# Altium PCB PCB5.PcbDoc (part 4 of 16)
Units mil, origin at the board's own origin, x right, y up, seen from the top; angles counter-clockwise.
Board outline 9210.27 x 4350.4 mil, 4 copper layers (Top Layer, Layer 1, Layer 2, Bottom Layer), stack 23.756 mil thick; 1550 components, 1731 nets, 5196 pads, 1890 vias.
Unrouted connection lines stored in the file: 2462.
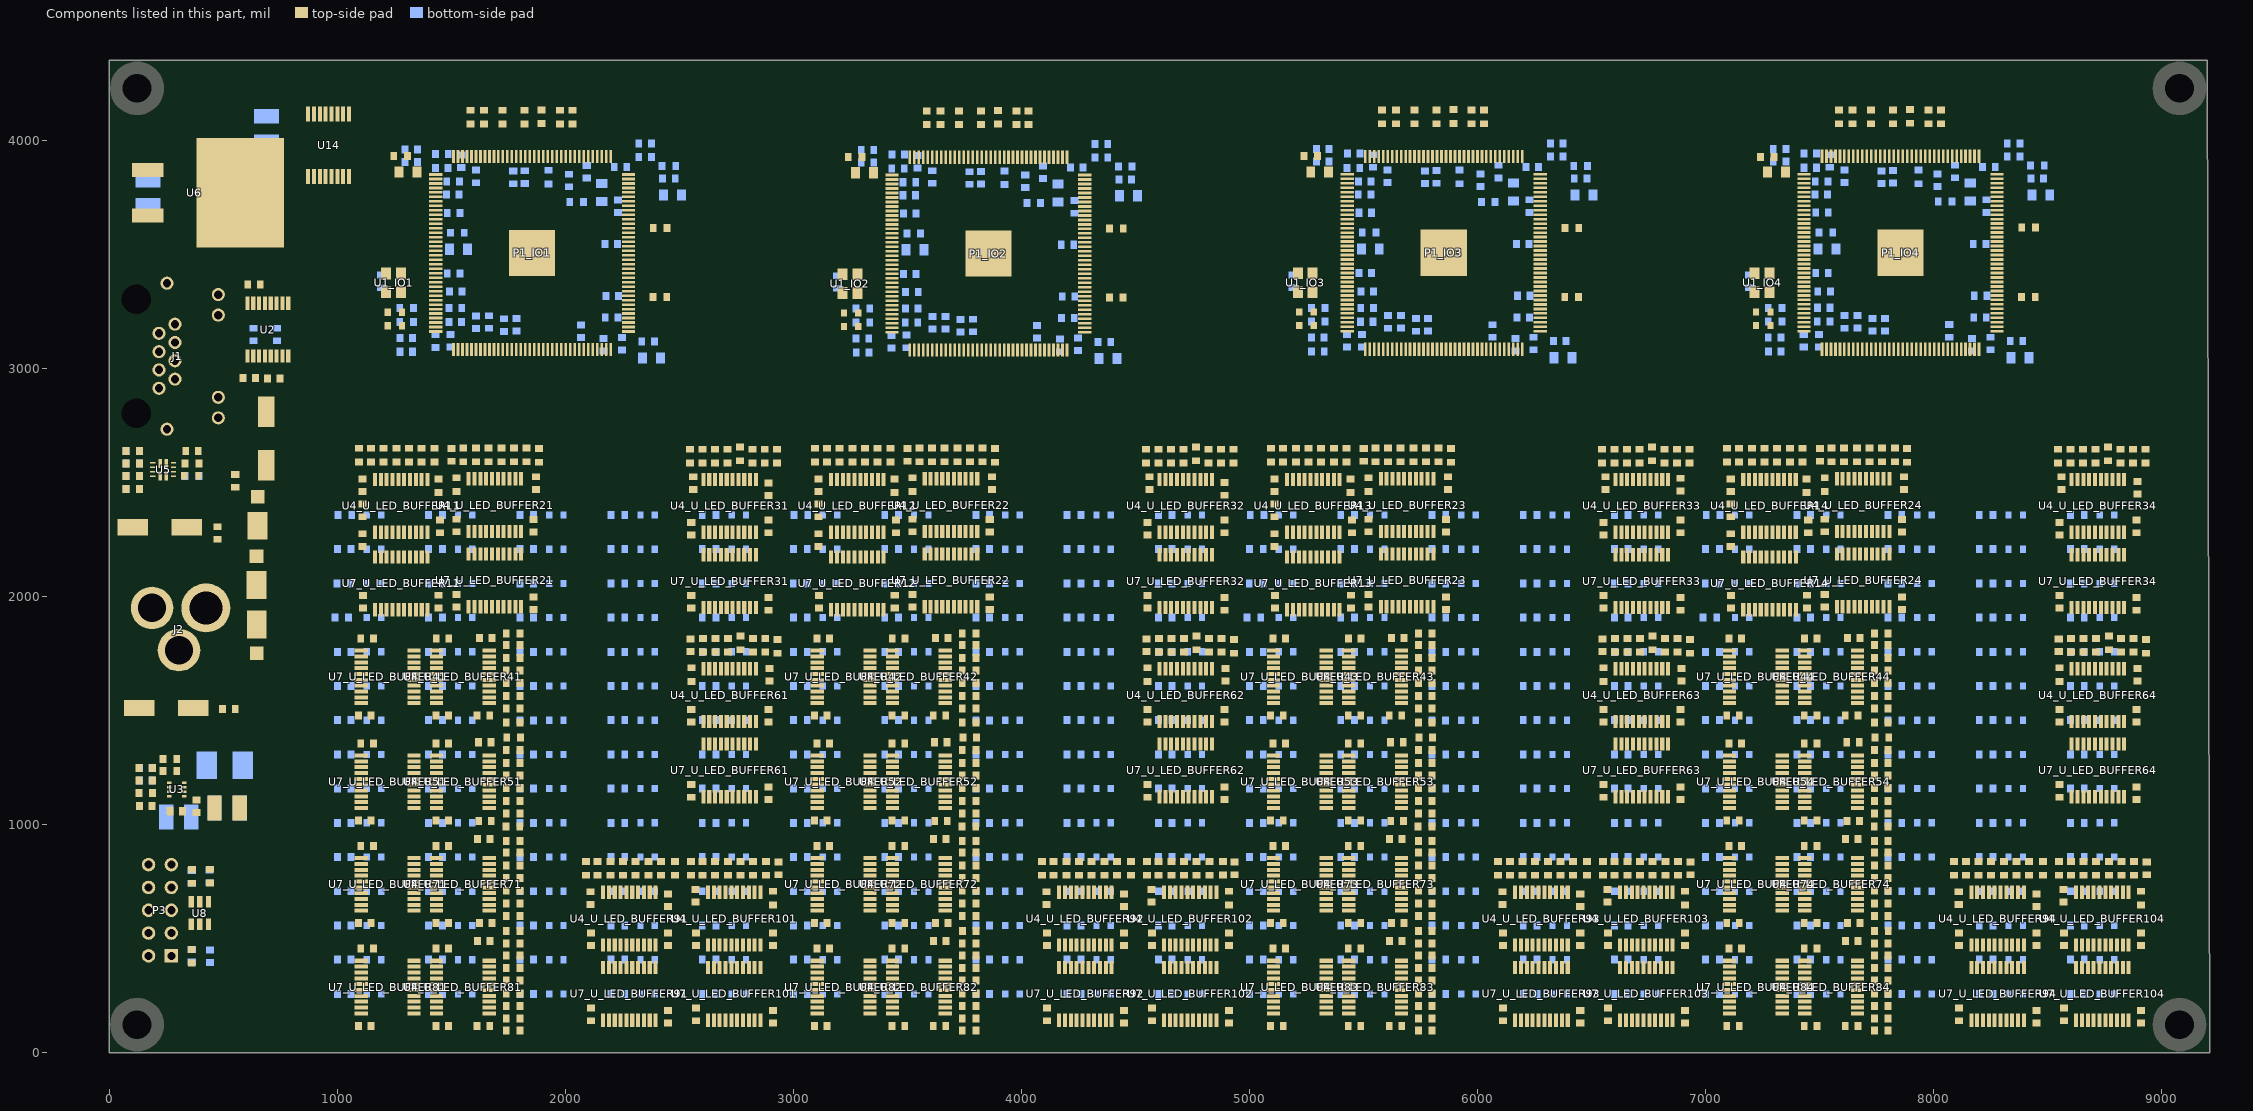
[diagram p6: the components of this part, seen from the top]

## Components (designator, comment, footprint, x,y, rotation, side; value= is the part's Value field where it differs from the comment) (continued)
R49_U_LED_BUFFER61 "33R" 0603R 2822.05,1786.05 r270 top (schematic designator R49)
R49_U_LED_BUFFER62 "33R" 0603R 4822.05,1786.05 r270 top (schematic designator R49)
R49_U_LED_BUFFER63 "33R" 0603R 6822.05,1786.05 r270 top (schematic designator R49)
R49_U_LED_BUFFER64 "33R" 0603R 8822.05,1786.05 r270 top (schematic designator R49)
R49_U_LED_BUFFER71 "33R" 0603R 1770.63,653.83 r180 top (schematic designator R49)
R49_U_LED_BUFFER72 "33R" 0603R 3770.63,653.83 r180 top (schematic designator R49)
R49_U_LED_BUFFER73 "33R" 0603R 5770.63,653.83 r180 top (schematic designator R49)
R49_U_LED_BUFFER74 "33R" 0603R 7770.63,653.83 r180 top (schematic designator R49)
R49_U_LED_BUFFER81 "33R" 0603R 1770.63,203.83 r180 top (schematic designator R49)
R49_U_LED_BUFFER82 "33R" 0603R 3770.63,203.83 r180 top (schematic designator R49)
R49_U_LED_BUFFER83 "33R" 0603R 5770.63,203.83 r180 top (schematic designator R49)
R49_U_LED_BUFFER84 "33R" 0603R 7770.63,203.83 r180 top (schematic designator R49)
R49_U_LED_BUFFER91 "33R" 0603R 2363.96,807.16 r270 top (schematic designator R49)
R49_U_LED_BUFFER92 "33R" 0603R 4363.96,807.16 r270 top (schematic designator R49)
R49_U_LED_BUFFER93 "33R" 0603R 6363.96,807.16 r270 top (schematic designator R49)
R49_U_LED_BUFFER94 "33R" 0603R 8363.96,807.16 r270 top (schematic designator R49)
R49_U_LED_BUFFER101 "33R" 0603R 2823.96,807.16 r270 top (schematic designator R49)
R49_U_LED_BUFFER102 "33R" 0603R 4823.96,807.16 r270 top (schematic designator R49)
R49_U_LED_BUFFER103 "33R" 0603R 6823.96,807.16 r270 top (schematic designator R49)
R49_U_LED_BUFFER104 "33R" 0603R 8823.96,807.16 r270 top (schematic designator R49)
R50_U_LED_BUFFER11 "33R" 0603R 1314.4,2619.83 r270 top (schematic designator R50)
R50_U_LED_BUFFER12 "33R" 0603R 3314.4,2619.83 r270 top (schematic designator R50)
R50_U_LED_BUFFER13 "33R" 0603R 5314.4,2619.83 r270 top (schematic designator R50)
R50_U_LED_BUFFER14 "33R" 0603R 7314.4,2619.83 r270 top (schematic designator R50)
R50_U_LED_BUFFER21 "33R" 0603R 1719.01,2620.5 r270 top (schematic designator R50)
R50_U_LED_BUFFER22 "33R" 0603R 3719,2620.5 r270 top (schematic designator R50)
R50_U_LED_BUFFER23 "33R" 0603R 5719,2620.5 r270 top (schematic designator R50)
R50_U_LED_BUFFER24 "33R" 0603R 7719,2620.5 r270 top (schematic designator R50)
R50_U_LED_BUFFER31 "33R" 0603R 2765.25,2624.97 r270 top (schematic designator R50)
R50_U_LED_BUFFER32 "33R" 0603R 4765.25,2624.97 r270 top (schematic designator R50)
R50_U_LED_BUFFER33 "33R" 0603R 6765.25,2624.97 r270 top (schematic designator R50)
R50_U_LED_BUFFER34 "33R" 0603R 8765.25,2624.97 r270 top (schematic designator R50)
R50_U_LED_BUFFER41 "33R" 0603R 1770.63,1619.39 r180 top (schematic designator R50)
R50_U_LED_BUFFER42 "33R" 0603R 3770.63,1619.39 r180 top (schematic designator R50)
R50_U_LED_BUFFER43 "33R" 0603R 5770.63,1619.39 r180 top (schematic designator R50)
R50_U_LED_BUFFER44 "33R" 0603R 7770.63,1619.39 r180 top (schematic designator R50)
R50_U_LED_BUFFER51 "33R" 0603R 1770.63,1159.39 r180 top (schematic designator R50)
R50_U_LED_BUFFER52 "33R" 0603R 3770.63,1159.39 r180 top (schematic designator R50)
R50_U_LED_BUFFER53 "33R" 0603R 5770.63,1159.39 r180 top (schematic designator R50)
R50_U_LED_BUFFER54 "33R" 0603R 7770.63,1159.39 r180 top (schematic designator R50)
R50_U_LED_BUFFER61 "33R" 0603R 2768.4,1796.26 r270 top (schematic designator R50)
R50_U_LED_BUFFER62 "33R" 0603R 4768.4,1796.26 r270 top (schematic designator R50)
R50_U_LED_BUFFER63 "33R" 0603R 6768.4,1796.26 r270 top (schematic designator R50)
R50_U_LED_BUFFER64 "33R" 0603R 8768.4,1796.26 r270 top (schematic designator R50)
R50_U_LED_BUFFER71 "33R" 0603R 1770.63,709.39 r180 top (schematic designator R50)
R50_U_LED_BUFFER72 "33R" 0603R 3770.63,709.39 r180 top (schematic designator R50)
R50_U_LED_BUFFER73 "33R" 0603R 5770.63,709.39 r180 top (schematic designator R50)
R50_U_LED_BUFFER74 "33R" 0603R 7770.63,709.39 r180 top (schematic designator R50)
R50_U_LED_BUFFER81 "33R" 0603R 1770.63,259.39 r180 top (schematic designator R50)
R50_U_LED_BUFFER82 "33R" 0603R 3770.63,259.39 r180 top (schematic designator R50)
R50_U_LED_BUFFER83 "33R" 0603R 5770.63,259.39 r180 top (schematic designator R50)
R50_U_LED_BUFFER84 "33R" 0603R 7770.63,259.39 r180 top (schematic designator R50)
R50_U_LED_BUFFER91 "33R" 0603R 2308.41,807.16 r270 top (schematic designator R50)
R50_U_LED_BUFFER92 "33R" 0603R 4308.41,807.16 r270 top (schematic designator R50)
R50_U_LED_BUFFER93 "33R" 0603R 6308.41,807.16 r270 top (schematic designator R50)
R50_U_LED_BUFFER94 "33R" 0603R 8308.41,807.16 r270 top (schematic designator R50)
R50_U_LED_BUFFER101 "33R" 0603R 2768.41,807.16 r270 top (schematic designator R50)
R50_U_LED_BUFFER102 "33R" 0603R 4768.41,807.16 r270 top (schematic designator R50)
R50_U_LED_BUFFER103 "33R" 0603R 6768.41,807.16 r270 top (schematic designator R50)
R50_U_LED_BUFFER104 "33R" 0603R 8768.41,807.16 r270 top (schematic designator R50)
R51_U_LED_BUFFER11 "33R" 0603R 1258.84,2619.83 r270 top (schematic designator R51)
R51_U_LED_BUFFER12 "33R" 0603R 3258.84,2619.83 r270 top (schematic designator R51)
R51_U_LED_BUFFER13 "33R" 0603R 5258.84,2619.83 r270 top (schematic designator R51)
R51_U_LED_BUFFER14 "33R" 0603R 7258.84,2619.83 r270 top (schematic designator R51)
R51_U_LED_BUFFER21 "33R" 0603R 1663.45,2620.5 r270 top (schematic designator R51)
R51_U_LED_BUFFER22 "33R" 0603R 3663.45,2620.5 r270 top (schematic designator R51)
R51_U_LED_BUFFER23 "33R" 0603R 5663.45,2620.5 r270 top (schematic designator R51)
R51_U_LED_BUFFER24 "33R" 0603R 7663.45,2620.5 r270 top (schematic designator R51)
R51_U_LED_BUFFER31 "33R" 0603R 2710.35,2615.79 r270 top (schematic designator R51)
R51_U_LED_BUFFER32 "33R" 0603R 4710.35,2615.79 r270 top (schematic designator R51)
R51_U_LED_BUFFER33 "33R" 0603R 6710.35,2615.79 r270 top (schematic designator R51)
R51_U_LED_BUFFER34 "33R" 0603R 8710.35,2615.79 r270 top (schematic designator R51)
R51_U_LED_BUFFER41 "33R" 0603R 1770.63,1674.94 r180 top (schematic designator R51)
R51_U_LED_BUFFER42 "33R" 0603R 3770.63,1674.94 r180 top (schematic designator R51)
R51_U_LED_BUFFER43 "33R" 0603R 5770.63,1674.94 r180 top (schematic designator R51)
R51_U_LED_BUFFER44 "33R" 0603R 7770.63,1674.94 r180 top (schematic designator R51)
R51_U_LED_BUFFER51 "33R" 0603R 1770.63,1214.94 r180 top (schematic designator R51)
R51_U_LED_BUFFER52 "33R" 0603R 3770.63,1214.94 r180 top (schematic designator R51)
R51_U_LED_BUFFER53 "33R" 0603R 5770.63,1214.94 r180 top (schematic designator R51)
R51_U_LED_BUFFER54 "33R" 0603R 7770.63,1214.94 r180 top (schematic designator R51)
R51_U_LED_BUFFER61 "33R" 0603R 2712.85,1786.05 r270 top (schematic designator R51)
R51_U_LED_BUFFER62 "33R" 0603R 4712.85,1786.05 r270 top (schematic designator R51)
R51_U_LED_BUFFER63 "33R" 0603R 6712.85,1786.05 r270 top (schematic designator R51)
R51_U_LED_BUFFER64 "33R" 0603R 8712.85,1786.05 r270 top (schematic designator R51)
R51_U_LED_BUFFER71 "33R" 0603R 1770.63,764.94 r180 top (schematic designator R51)
R51_U_LED_BUFFER72 "33R" 0603R 3770.63,764.94 r180 top (schematic designator R51)
R51_U_LED_BUFFER73 "33R" 0603R 5770.63,764.94 r180 top (schematic designator R51)
R51_U_LED_BUFFER74 "33R" 0603R 7770.63,764.94 r180 top (schematic designator R51)
R51_U_LED_BUFFER81 "33R" 0603R 1770.63,314.94 r180 top (schematic designator R51)
R51_U_LED_BUFFER82 "33R" 0603R 3770.63,314.94 r180 top (schematic designator R51)
R51_U_LED_BUFFER83 "33R" 0603R 5770.63,314.94 r180 top (schematic designator R51)
R51_U_LED_BUFFER84 "33R" 0603R 7770.63,314.94 r180 top (schematic designator R51)
R51_U_LED_BUFFER91 "33R" 0603R 2252.85,807.16 r270 top (schematic designator R51)
R51_U_LED_BUFFER92 "33R" 0603R 4252.85,807.16 r270 top (schematic designator R51)
R51_U_LED_BUFFER93 "33R" 0603R 6252.85,807.16 r270 top (schematic designator R51)
R51_U_LED_BUFFER94 "33R" 0603R 8252.85,807.16 r270 top (schematic designator R51)
R51_U_LED_BUFFER101 "33R" 0603R 2712.85,807.16 r270 top (schematic designator R51)
R51_U_LED_BUFFER102 "33R" 0603R 4712.85,807.16 r270 top (schematic designator R51)
R51_U_LED_BUFFER103 "33R" 0603R 6712.85,807.16 r270 top (schematic designator R51)
R51_U_LED_BUFFER104 "33R" 0603R 8712.85,807.16 r270 top (schematic designator R51)
R52_U_LED_BUFFER11 "33R" 0603R 1203.29,2619.83 r270 top (schematic designator R52)
R52_U_LED_BUFFER12 "33R" 0603R 3203.29,2619.83 r270 top (schematic designator R52)
R52_U_LED_BUFFER13 "33R" 0603R 5203.29,2619.83 r270 top (schematic designator R52)
R52_U_LED_BUFFER14 "33R" 0603R 7203.29,2619.83 r270 top (schematic designator R52)
R52_U_LED_BUFFER21 "33R" 0603R 1607.89,2620.5 r270 top (schematic designator R52)
R52_U_LED_BUFFER22 "33R" 0603R 3607.89,2620.5 r270 top (schematic designator R52)
R52_U_LED_BUFFER23 "33R" 0603R 5607.89,2620.5 r270 top (schematic designator R52)
R52_U_LED_BUFFER24 "33R" 0603R 7607.89,2620.5 r270 top (schematic designator R52)
R52_U_LED_BUFFER31 "33R" 0603R 2655.63,2615.79 r270 top (schematic designator R52)
R52_U_LED_BUFFER32 "33R" 0603R 4655.63,2615.79 r270 top (schematic designator R52)
R52_U_LED_BUFFER33 "33R" 0603R 6655.63,2615.79 r270 top (schematic designator R52)
R52_U_LED_BUFFER34 "33R" 0603R 8655.63,2615.79 r270 top (schematic designator R52)
R52_U_LED_BUFFER41 "33R" 0603R 1770.63,1730.5 r180 top (schematic designator R52)
R52_U_LED_BUFFER42 "33R" 0603R 3770.63,1730.5 r180 top (schematic designator R52)
R52_U_LED_BUFFER43 "33R" 0603R 5770.63,1730.5 r180 top (schematic designator R52)
R52_U_LED_BUFFER44 "33R" 0603R 7770.63,1730.5 r180 top (schematic designator R52)
R52_U_LED_BUFFER51 "33R" 0603R 1770.63,1270.5 r180 top (schematic designator R52)
R52_U_LED_BUFFER52 "33R" 0603R 3770.63,1270.5 r180 top (schematic designator R52)
R52_U_LED_BUFFER53 "33R" 0603R 5770.63,1270.5 r180 top (schematic designator R52)
R52_U_LED_BUFFER54 "33R" 0603R 7770.63,1270.5 r180 top (schematic designator R52)
R52_U_LED_BUFFER61 "33R" 0603R 2658.26,1786.05 r270 top (schematic designator R52)
R52_U_LED_BUFFER62 "33R" 0603R 4658.26,1786.05 r270 top (schematic designator R52)
R52_U_LED_BUFFER63 "33R" 0603R 6658.26,1786.05 r270 top (schematic designator R52)
R52_U_LED_BUFFER64 "33R" 0603R 8658.26,1786.05 r270 top (schematic designator R52)
R52_U_LED_BUFFER71 "33R" 0603R 1770.63,820.5 r180 top (schematic designator R52)
R52_U_LED_BUFFER72 "33R" 0603R 3770.63,820.5 r180 top (schematic designator R52)
R52_U_LED_BUFFER73 "33R" 0603R 5770.63,820.5 r180 top (schematic designator R52)
R52_U_LED_BUFFER74 "33R" 0603R 7770.63,820.5 r180 top (schematic designator R52)
R52_U_LED_BUFFER81 "33R" 0603R 1770.63,370.5 r180 top (schematic designator R52)
R52_U_LED_BUFFER82 "33R" 0603R 3770.63,370.5 r180 top (schematic designator R52)
R52_U_LED_BUFFER83 "33R" 0603R 5770.63,370.5 r180 top (schematic designator R52)
R52_U_LED_BUFFER84 "33R" 0603R 7770.63,370.5 r180 top (schematic designator R52)
R52_U_LED_BUFFER91 "33R" 0603R 2197.3,807.16 r270 top (schematic designator R52)
R52_U_LED_BUFFER92 "33R" 0603R 4197.3,807.16 r270 top (schematic designator R52)
R52_U_LED_BUFFER93 "33R" 0603R 6197.3,807.16 r270 top (schematic designator R52)
R52_U_LED_BUFFER94 "33R" 0603R 8197.3,807.16 r270 top (schematic designator R52)
R52_U_LED_BUFFER101 "33R" 0603R 2657.3,807.16 r270 top (schematic designator R52)
R52_U_LED_BUFFER102 "33R" 0603R 4657.3,807.16 r270 top (schematic designator R52)
R52_U_LED_BUFFER103 "33R" 0603R 6657.3,807.16 r270 top (schematic designator R52)
R52_U_LED_BUFFER104 "33R" 0603R 8657.3,807.16 r270 top (schematic designator R52)
R53_U_LED_BUFFER11 "33R" 0603R 1147.73,2619.83 r270 top (schematic designator R53)
R53_U_LED_BUFFER12 "33R" 0603R 3147.73,2619.83 r270 top (schematic designator R53)
R53_U_LED_BUFFER13 "33R" 0603R 5147.73,2619.83 r270 top (schematic designator R53)
R53_U_LED_BUFFER14 "33R" 0603R 7147.73,2619.83 r270 top (schematic designator R53)
R53_U_LED_BUFFER21 "33R" 0603R 1552.34,2620.5 r270 top (schematic designator R53)
R53_U_LED_BUFFER22 "33R" 0603R 3552.34,2620.5 r270 top (schematic designator R53)
R53_U_LED_BUFFER23 "33R" 0603R 5552.34,2620.5 r270 top (schematic designator R53)
R53_U_LED_BUFFER24 "33R" 0603R 7552.34,2620.5 r270 top (schematic designator R53)
R53_U_LED_BUFFER31 "33R" 0603R 2600.92,2615.79 r270 top (schematic designator R53)
R53_U_LED_BUFFER32 "33R" 0603R 4600.92,2615.79 r270 top (schematic designator R53)
R53_U_LED_BUFFER33 "33R" 0603R 6600.92,2615.79 r270 top (schematic designator R53)
R53_U_LED_BUFFER34 "33R" 0603R 8600.92,2615.79 r270 top (schematic designator R53)
R53_U_LED_BUFFER41 "33R" 0603R 1770.63,1786.05 r180 top (schematic designator R53)
R53_U_LED_BUFFER42 "33R" 0603R 3770.63,1786.05 r180 top (schematic designator R53)
R53_U_LED_BUFFER43 "33R" 0603R 5770.63,1786.05 r180 top (schematic designator R53)
R53_U_LED_BUFFER44 "33R" 0603R 7770.63,1786.05 r180 top (schematic designator R53)
R53_U_LED_BUFFER51 "33R" 0603R 1770.63,1326.05 r180 top (schematic designator R53)
R53_U_LED_BUFFER52 "33R" 0603R 3770.63,1326.05 r180 top (schematic designator R53)
R53_U_LED_BUFFER53 "33R" 0603R 5770.63,1326.05 r180 top (schematic designator R53)
R53_U_LED_BUFFER54 "33R" 0603R 7770.63,1326.05 r180 top (schematic designator R53)
R53_U_LED_BUFFER61 "33R" 0603R 2603.66,1786.05 r270 top (schematic designator R53)
R53_U_LED_BUFFER62 "33R" 0603R 4603.66,1786.05 r270 top (schematic designator R53)
R53_U_LED_BUFFER63 "33R" 0603R 6603.66,1786.05 r270 top (schematic designator R53)
R53_U_LED_BUFFER64 "33R" 0603R 8603.66,1786.05 r270 top (schematic designator R53)
R53_U_LED_BUFFER71 "33R" 0603R 1770.63,876.05 r180 top (schematic designator R53)
R53_U_LED_BUFFER72 "33R" 0603R 3770.63,876.05 r180 top (schematic designator R53)
R53_U_LED_BUFFER73 "33R" 0603R 5770.63,876.05 r180 top (schematic designator R53)
R53_U_LED_BUFFER74 "33R" 0603R 7770.63,876.05 r180 top (schematic designator R53)
R53_U_LED_BUFFER81 "33R" 0603R 1770.63,426.05 r180 top (schematic designator R53)
R53_U_LED_BUFFER82 "33R" 0603R 3770.63,426.05 r180 top (schematic designator R53)
R53_U_LED_BUFFER83 "33R" 0603R 5770.63,426.05 r180 top (schematic designator R53)
R53_U_LED_BUFFER84 "33R" 0603R 7770.63,426.05 r180 top (schematic designator R53)
R53_U_LED_BUFFER91 "33R" 0603R 2141.74,807.16 r270 top (schematic designator R53)
R53_U_LED_BUFFER92 "33R" 0603R 4141.74,807.16 r270 top (schematic designator R53)
R53_U_LED_BUFFER93 "33R" 0603R 6141.74,807.16 r270 top (schematic designator R53)
R53_U_LED_BUFFER94 "33R" 0603R 8141.74,807.16 r270 top (schematic designator R53)
R53_U_LED_BUFFER101 "33R" 0603R 2601.74,807.16 r270 top (schematic designator R53)
R53_U_LED_BUFFER102 "33R" 0603R 4601.74,807.16 r270 top (schematic designator R53)
R53_U_LED_BUFFER103 "33R" 0603R 6601.74,807.16 r270 top (schematic designator R53)
R53_U_LED_BUFFER104 "33R" 0603R 8601.74,807.16 r270 top (schematic designator R53)
R54_U_LED_BUFFER11 "33R" 0603R 1094.6,2619.97 r270 top (schematic designator R54)
R54_U_LED_BUFFER12 "33R" 0603R 3094.6,2619.97 r270 top (schematic designator R54)
R54_U_LED_BUFFER13 "33R" 0603R 5094.6,2619.97 r270 top (schematic designator R54)
R54_U_LED_BUFFER14 "33R" 0603R 7094.6,2619.97 r270 top (schematic designator R54)
R54_U_LED_BUFFER21 "33R" 0603R 1522.87,2490.5 r270 top (schematic designator R54)
R54_U_LED_BUFFER22 "33R" 0603R 3522.87,2490.5 r270 top (schematic designator R54)
R54_U_LED_BUFFER23 "33R" 0603R 5522.87,2490.5 r270 top (schematic designator R54)
R54_U_LED_BUFFER24 "33R" 0603R 7522.87,2490.5 r270 top (schematic designator R54)
R54_U_LED_BUFFER31 "33R" 0603R 2546.2,2615.79 r270 top (schematic designator R54)
R54_U_LED_BUFFER32 "33R" 0603R 4546.2,2615.79 r270 top (schematic designator R54)
R54_U_LED_BUFFER33 "33R" 0603R 6546.2,2615.79 r270 top (schematic designator R54)
R54_U_LED_BUFFER34 "33R" 0603R 8546.2,2615.79 r270 top (schematic designator R54)
R54_U_LED_BUFFER41 "33R" 0603R 1770.63,1837.16 r180 top (schematic designator R54)
R54_U_LED_BUFFER42 "33R" 0603R 3770.63,1837.16 r180 top (schematic designator R54)
R54_U_LED_BUFFER43 "33R" 0603R 5770.63,1837.16 r180 top (schematic designator R54)
R54_U_LED_BUFFER44 "33R" 0603R 7770.63,1837.16 r180 top (schematic designator R54)
R54_U_LED_BUFFER51 "33R" 0603R 1773.37,1380.75 r180 top (schematic designator R54)
R54_U_LED_BUFFER52 "33R" 0603R 3773.37,1380.75 r180 top (schematic designator R54)
R54_U_LED_BUFFER53 "33R" 0603R 5773.37,1380.75 r180 top (schematic designator R54)
R54_U_LED_BUFFER54 "33R" 0603R 7773.37,1380.75 r180 top (schematic designator R54)
R54_U_LED_BUFFER61 "33R" 0603R 2552.27,1657.16 r270 top (schematic designator R54)
R54_U_LED_BUFFER62 "33R" 0603R 4552.27,1657.16 r270 top (schematic designator R54)
R54_U_LED_BUFFER63 "33R" 0603R 6552.27,1657.16 r270 top (schematic designator R54)
R54_U_LED_BUFFER64 "33R" 0603R 8552.27,1657.16 r270 top (schematic designator R54)
R54_U_LED_BUFFER71 "33R" 0603R 1770.63,927.16 r180 top (schematic designator R54)
R54_U_LED_BUFFER72 "33R" 0603R 3770.63,927.16 r180 top (schematic designator R54)
R54_U_LED_BUFFER73 "33R" 0603R 5770.63,927.16 r180 top (schematic designator R54)
R54_U_LED_BUFFER74 "33R" 0603R 7770.63,927.16 r180 top (schematic designator R54)
R54_U_LED_BUFFER81 "33R" 0603R 1770.63,477.16 r180 top (schematic designator R54)
R54_U_LED_BUFFER82 "33R" 0603R 3770.63,477.16 r180 top (schematic designator R54)
R54_U_LED_BUFFER83 "33R" 0603R 5770.63,477.16 r180 top (schematic designator R54)
R54_U_LED_BUFFER84 "33R" 0603R 7770.63,477.16 r180 top (schematic designator R54)
R54_U_LED_BUFFER91 "33R" 0603R 2090.63,807.16 r270 top (schematic designator R54)
R54_U_LED_BUFFER92 "33R" 0603R 4090.63,807.16 r270 top (schematic designator R54)
R54_U_LED_BUFFER93 "33R" 0603R 6090.63,807.16 r270 top (schematic designator R54)
R54_U_LED_BUFFER94 "33R" 0603R 8090.63,807.16 r270 top (schematic designator R54)
R54_U_LED_BUFFER101 "33R" 0603R 2550.63,807.16 r270 top (schematic designator R54)
R54_U_LED_BUFFER102 "33R" 0603R 4550.63,807.16 r270 top (schematic designator R54)
R54_U_LED_BUFFER103 "33R" 0603R 6550.63,807.16 r270 top (schematic designator R54)
R54_U_LED_BUFFER104 "33R" 0603R 8550.63,807.16 r270 top (schematic designator R54)
U1_IO1 "OSC-25" ASE-25.000MHZ-LC-T 1246.83,3374.87 r270 top value=25MHZ (schematic designator U1)
U1_IO2 "OSC-25" ASE-25.000MHZ-LC-T 3247.93,3372.27 r270 top value=25MHZ (schematic designator U1)
U1_IO3 "OSC-25" ASE-25.000MHZ-LC-T 5244.83,3375.72 r270 top value=25MHZ (schematic designator U1)
U1_IO4 "OSC-25" ASE-25.000MHZ-LC-T 7247.83,3375.87 r270 top value=25MHZ (schematic designator U1)
U2 "MAX3232CPWR" MAX3232CPWR 695.34,3169.97 r90 top
U3 "MP2333HGTL" MP2333HGTL-P 296.23,1153.7 r180 top value=3.3V
U4_U_LED_BUFFER11 "NTS0308" NTS0308EPWJ 1280.63,2397.16 r270 top value=8-BIT (schematic designator U4)
U4_U_LED_BUFFER12 "NTS0308" NTS0308EPWJ 3280.63,2397.16 r270 top value=8-BIT (schematic designator U4)
U4_U_LED_BUFFER13 "NTS0308" NTS0308EPWJ 5280.63,2397.16 r270 top value=8-BIT (schematic designator U4)
U4_U_LED_BUFFER14 "NTS0308" NTS0308EPWJ 7280.63,2397.16 r270 top value=8-BIT (schematic designator U4)
U4_U_LED_BUFFER21 "NTS0308" NTS0308EPWJ 1691.23,2400.5 r270 top value=8-BIT (schematic designator U4)
U4_U_LED_BUFFER22 "NTS0308" NTS0308EPWJ 3691.23,2400.5 r270 top value=8-BIT (schematic designator U4)